# KiCad board ilwol.kicad_pcb (continued)
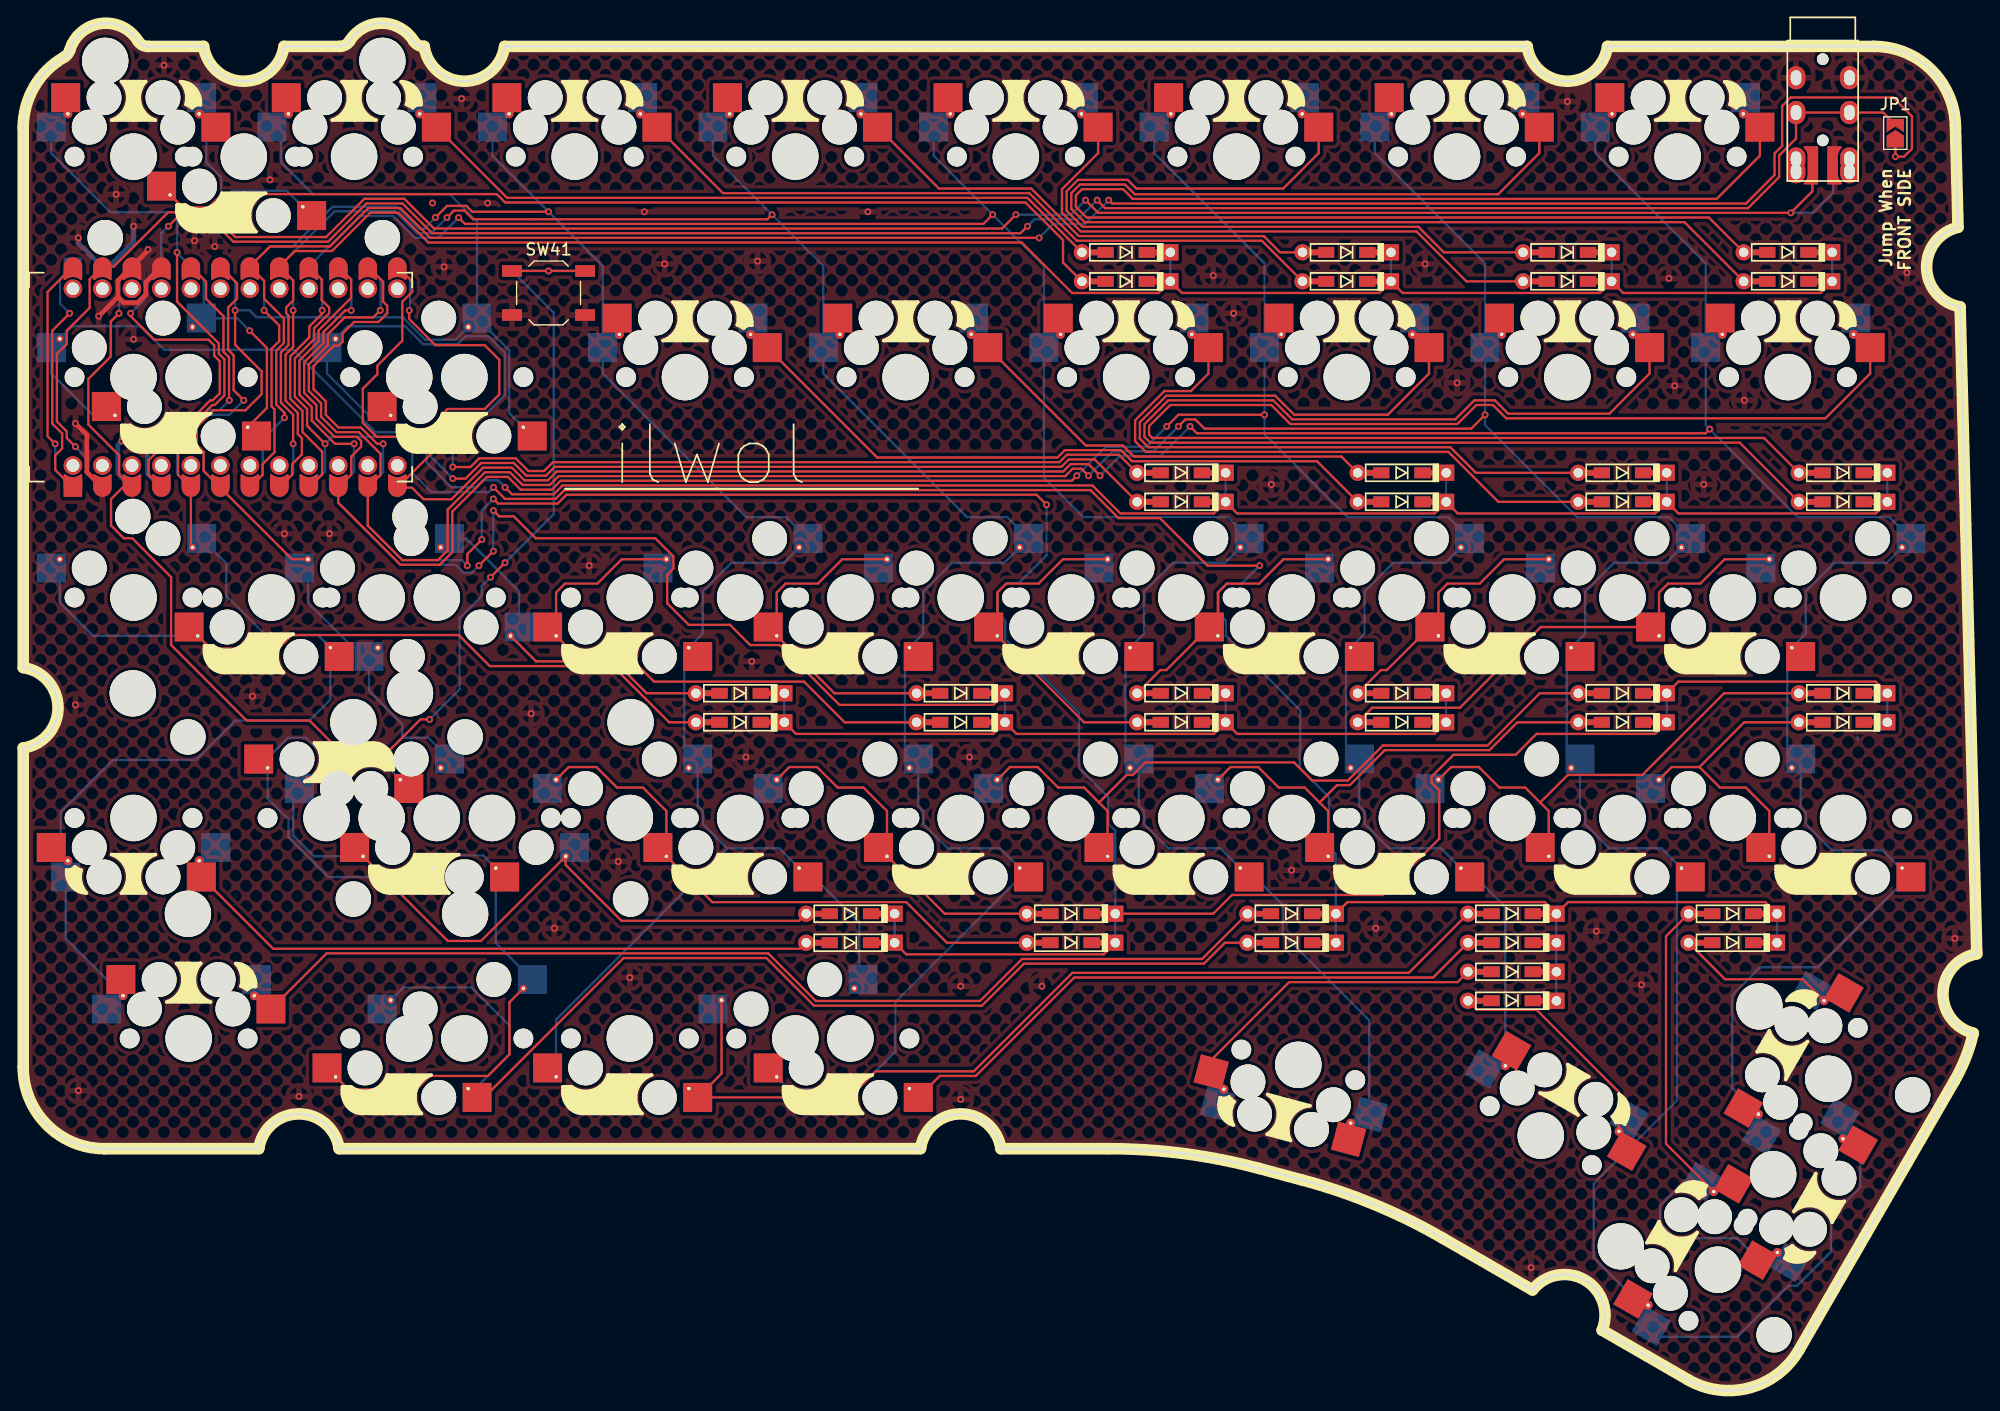
[diagram p0: board, top side]
## Nets
GND: J1.R2 J1.S JP2.2 SW41.2 SW41#2.2 U1.3 U1.4 U1.23
VCC: J1.R1 JP1.2 U1.21
COL1: SW1.1 SW1#2.1 SW9.1 SW9#2.1 SW17.1 SW17#2.1 SW25.1 SW33.1 U1.20
COL2: REF**#5.2 SW2.1 SW10.1 SW10#2.1 SW18.1 SW26.1 SW26#2.1 SW26#3.1 SW26#4.1 SW34.2 SW34#2.1 U1.19
COL3: SW3.1 SW11.1 SW19.1 SW19#2.1 SW27.1 SW27#2.1 SW35.2 SW35#2.1 U1.18
COL4: SW4.1 SW12.1 SW20.1 SW20#2.1 SW28.1 SW28#2.1 SW36.2 U1.17
COL5: SW5.1 SW13.1 SW21.1 SW21#2.1 SW29.1 SW29#2.1 SW37.1 U1.16
COL6: SW6.1 SW14.1 SW22.1 SW22#2.1 SW30.1 SW30#2.1 SW38.1 U1.15
COL7: SW7.1 SW15.1 SW23.1 SW23#2.1 SW31.1 SW31#2.1 SW39.1 SW39#2.1 U1.14
COL8: SW8.1 SW16.1 SW24.1 SW24#2.1 SW32.1 SW32#2.1 SW40.1 U1.13
HAND: JP1.1 JP2.1 U1.7
ROW1: D1.1 D2.1 D3.1 D4.1 D5.1 D6.1 D7.1 D8.1 U1.8
ROW2: D9.1 D10.1 D11.1 D12.1 D13.1 D14.1 D15.1 D16.1 U1.9
ROW3: D17.1 D18.1 D19.1 D20.1 D21.1 D22.1 D23.1 D24.1 U1.10
ROW4: D25.1 D26.1 D27.1 D28.1 D29.1 D30.1 D31.1 D32.1 U1.11
ROW5: D33.1 D34.1 D35.1 D36.1 D37.1 D38.1 D39.1 D40.1 U1.12
RST: SW41.1 SW41#2.1 U1.22
SERIAL: J1.T U1.2
Net-(D1-A): D1.2 SW1.2 SW1#2.2
Net-(D2-A): D2.2 SW2.2
Net-(D3-A): D3.2 SW3.2
Net-(D4-A): D4.2 SW4.2
Net-(D5-A): D5.2 SW5.2
Net-(D6-A): D6.2 SW6.2
Net-(D7-A): D7.2 SW7.2
Net-(D8-A): D8.2 SW8.2
Net-(D9-A): D9.2 SW9.2 SW9#2.2
Net-(D10-A): D10.2 SW10.2 SW10#2.2
Net-(D11-A): D11.2 SW11.2
Net-(D12-A): D12.2 SW12.2
Net-(D13-A): D13.2 SW13.2
Net-(D14-A): D14.2 SW14.2
Net-(D15-A): D15.2 SW15.2
Net-(D16-A): D16.2 SW16.2
Net-(D17-A): D17.2 SW17.2 SW17#2.2
Net-(D18-A): D18.2 REF**#5.1 SW18.2
Net-(D19-A): D19.2 SW19.2 SW19#2.2
Net-(D20-A): D20.2 SW20.2 SW20#2.2
Net-(D21-A): D21.2 SW21.2 SW21#2.2
Net-(D22-A): D22.2 SW22.2 SW22#2.2
Net-(D23-A): D23.2 SW23.2 SW23#2.2
Net-(D24-A): D24.2 SW24.2 SW24#2.2
Net-(D25-A): D25.2 SW25.2
Net-(D26-A): D26.2 SW26.2 SW26#2.2 SW26#3.2 SW26#4.2
Net-(D27-A): D27.2 SW27.2 SW27#2.2
Net-(D28-A): D28.2 SW28.2 SW28#2.2
Net-(D29-A): D29.2 SW29.2 SW29#2.2
Net-(D30-A): D30.2 SW30.2 SW30#2.2
Net-(D31-A): D31.2 SW31.2 SW31#2.2
Net-(D32-A): D32.2 SW32.2 SW32#2.2
Net-(D33-A): D33.2 SW33.2
Net-(D34-A): D34.2 SW34.1 SW34#2.2
Net-(D35-A): D35.2 SW35.1 SW35#2.2
Net-(D36-A): D36.2 SW36.1
Net-(D37-A): D37.2 SW37.2
Net-(D38-A): D38.2 SW38.2
Net-(D39-A): D39.2 SW39.2 SW39#2.2
Net-(D40-A): D40.2 SW40.2

Pads without a net: U1 1 5 6 24

## Via types
v1: diameter 0.6, hole 0.3, Top to Bottom, 119 vias

## Routing (per net, layer and track width the routed paths; a pad name or vN(x,y) marks a point on that pad's centre or on a via; arc(x,y) is an arc through that point)
GND: length 37.5
  Top w0.4: 8.16,94.26 8.16,95.67 U1.3 10.75,98.26 v1(10.75,98.35) ; 8.16,94.26 8.65,93.77 9.86,93.77 10.56,94.47 10.56,95.53 U1.4 ; 8.16,94.26 v1(6.5,92.6) ; U1.23 5.48,79.16 5.48,82.37 v1(4.5,83.35)
  Bottom w0.4: v1(4.75,99.35) 4.75,98.88 6.76,96.87 U1.23 7.37,96.87 9.5,99.01 v1(9.5,100.35) ; U1.3 8.16,79.02 8.16,81.51 v1(8.5,81.85) ; v1(10.25,81.85) 10.7,81.4 10.7,79.02 U1.4
  vias: v1(4.5,59.1) v1(4.75,25.85) v1(8,103.1) v1(9.5,90.6) v1(12.12,114.22) v1(14.75,99.1) v1(16.5,98.6) v1(18.5,101.35) v1(19,102.1) v1(19.75,59.85) v1(21.25,104.35) v1(22.5,73.85) v1(23.75,25.35) v1(26.38,73.85) v1(36.25,96.85) v1(37.75,111.35) v1(40,102.35) v1(43.75,58.35) v1(45.75,39.85) v1(48.75,71.1) v1(51.25,45.6) v1(52.25,35.6) v1(53.5,101.6) v1(55.25,97.1) v1(62.25,54.6) v1(62.75,62.85) v1(63.25,97.35) v1(72.75,101.6) v1(80.75,34.85) v1(80.75,25.1) v1(81.5,54.6) v1(87.75,34.85) v1(102.5,96.1) v1(104.25,92.85) v1(107.5,78.1) v1(109.25,44.85) v1(116.5,39.85) v1(120.75,97.1) v1(123.5,86.85) v1(129.88,10.6) v1(133,111.1) v1(135.5,39.6) v1(139.38,34.97) v1(141.75,95.85) v1(142.25,86.6) v1(144.75,78.1) v1(148.25,85.35) v1(162.25,96.35) v1(166.38,38.97)
VCC: length 193.5
  Top w0.2: v1(12.5,100.35) 13.31,101.15 15.96,101.15 18.1,99.01 26.26,99.01 29.56,102.32 32.66,102.32 35.22,99.75 85.9,99.75 v1(86.5,100.35) ; v1(92.5,102.6) 93.19,101.9 148.56,101.9 151.25,104.6 151.25,106.45 152.7,107.9 J1.R1 J1.R1 160.2,110.15 JP1.2 ; v1(9.25,92.85) 9.25,92.6 11.27,90.58 15.95,90.58 16.45,90.08 16.45,89.2 16.93,88.72 16.93,85.94 16.33,85.35 16.12,85.35 12.94,82.17 12.94,81.53 12.25,80.85 11.46,80.85 10.8,80.18 10.8,78.92 U1.21
  Bottom w0.2: v1(86.5,100.35) 87.1,100.95 90.85,100.95 v1(92.5,102.6) ; v1(12.5,100.35) 11.9,99.75 U1.21 10.46,95.43 10.46,94.06 v1(9.25,92.85)
(no net): length 0.2
  Bottom w0.2: 158,56.35 158,56.1
  vias: v1(35.25,102.35)
COL1: length 146.3
  Top w0.2: v1(13.25,98.1) 13.25,93.85 16.85,90.25 16.85,89.37 17.33,88.89 17.33,85.77 16.5,84.95 16.29,84.95 13.34,82 13.34,78.92 U1.20 14.44,72.8 SW17#2.1 ; v1(19.5,91.35) 20.99,89.86 20.99,84.69 SW9.1
  Bottom w0.2: SW1#2.1 2.41,106.65 7.51,101.55 13.25,101.55 ; 13.25,101.55 v1(13.25,98.1) 13.25,98.06 U1.20 15.54,95.77 15.54,92.63 SW9#2.1 18.42,92.43 v1(19.5,91.35) ; 13.25,101.55 16.12,101.55 17.97,103.4 22.7,103.4 SW1.1 ; SW17#2.1 17.5,71.27 17.5,68.47 17.52,68.47 20.87,65.12 25.37,65.12 SW17.1 26.45,59.54 24.66,57.75 18.25,57.75 14.85,54.35 7.72,54.35 3.22,49.84 3.22,46.29 SW25.1 ; SW25.1 3.66,38.97 SW33.1
COL2: length 200.8
  Top w0.2: SW34#2.1 41.88,33.46 41.88,28.98 40.02,27.12 35.02,27.12 33.86,25.96 28.02,25.96 SW34.2 ; v1(18.25,93.1) 18.25,90.13 20.53,87.84 20.53,85.88 19.15,84.49 16.4,84.49 14.94,83.03 14.94,81.5 15.54,80.9 15.54,79.26 U1.19 23.15,71.65 REF**#5.2
  Bottom w0.2: U1.19 18.25,95.6 v1(18.25,93.1) 19.5,93.1 20.1,92.5 32.7,92.5 34.62,90.58 37.24,90.58 SW10#2.1 ; SW2.1 22.22,109.4 22.22,105.85 24.97,103.1 36.75,103.1 39.09,100.75 SW10#2.1 41.88,89.64 41.88,84.23 SW10.1 ; SW26#4.1 26.26,44.27 22.85,47.68 22.85,49.24 21.05,51.05 SW26#2.1 21.05,54.5 22.82,56.28 24.35,56.28 26.49,54.14 30.51,54.14 32.65,56.28 ; SW18.1 29.78,60.31 32.65,57.44 32.65,56.28 ; 32.65,56.28 34.87,56.28 SW26#3.1 36.19,54.96 ; SW18.1 28.41,64.03 24.53,67.92 REF**#5.2 ; SW26#4.1 36.38,46.12 39.62,46.12 SW26.1 40.7,38.56 SW34#2.1
COL3: length 178.8
  Top w0.2: v1(35.5,101.1) 36.5,102.1 38.17,102.1 38.67,101.6 v1(45.25,101.6) ; v1(20.75,93.1) 22.05,91.8 22.05,90.44 21.39,89.79 21.39,84.82 21.64,84.57 21.64,80.87 20.62,79.84 20.62,78.92 U1.18
  Bottom w0.2: SW35.2 45.9,31.98 60.64,46.72 ; 60.64,46.72 65.14,46.72 SW27.1 67.31,45.03 72.03,40.32 72.03,35.74 SW35#2.1 ; 60.64,46.72 58.53,48.83 58.53,49.94 58.09,50.38 SW27#2.1 56.94,55.58 56.94,63.64 SW19.1 58.53,65.23 58.53,68.86 61.02,71.35 65.51,71.35 SW19#2.1 ; SW19#2.1 65.74,75.28 62.29,75.28 49.92,87.65 SW11.1 49.92,96.93 v1(45.25,101.6) 40.42,106.43 SW3.1 ; v1(20.75,93.1) 20.75,95.64 U1.18 21.25,98.6 23.22,98.6 26.66,102.04 32.19,102.04 34.08,100.15 34.55,100.15 v1(35.5,101.1)
COL4: length 189.8
  Top w0.2: v1(64.5,101.35) 64.1,100.95 38.75,100.95 38,101.7 37.1,101.7 v1(36.5,101.1) ; U1.17 23.16,78.92 23.16,79.84 24,80.68 24,82.1 23.65,82.45 23.65,84.26 22.59,85.32 22.59,89.29 23.25,89.94 v1(23.25,93.1)
  Bottom w0.2: SW20#2.1 84.51,71.35 80.02,71.35 77.53,68.86 77.53,65.23 SW20.1 75.94,63.64 75.94,55.58 SW28#2.1 77.09,50.38 77.53,49.94 77.53,48.83 79.64,46.72 84.14,46.72 SW28.1 85.83,44.19 75.13,33.49 75.13,29.23 71.86,25.96 65.99,25.96 SW36.2 ; SW4.1 59.42,106.43 68.92,96.93 SW12.1 68.92,87.65 81.29,75.28 84.74,75.28 SW20#2.1 ; v1(36.5,101.1) 35.15,99.75 33.92,99.75 32.03,101.64 26.83,101.64 U1.17 23.25,95.68 v1(23.25,93.1)
COL5: length 207.7
  Top w0.2: U1.16 25.75,78.97 25.75,80.91 24.05,82.61 24.05,84.43 23,85.49 23,89.12 24.65,90.77 24.65,91.71 25.75,92.81 v1(25.75,93.1) ; v1(83.5,101.35) 82.7,100.55 38.05,100.55 v1(37.5,101.1)
  Bottom w0.2: SW21#2.1 103.51,71.35 99.02,71.35 96.53,68.86 96.53,65.23 SW21.1 94.94,63.64 94.94,55.58 SW29#2.1 96.09,50.38 96.53,49.94 96.53,48.83 98.64,46.72 103.14,46.72 SW29.1 105.31,45.03 108.47,41.87 108.47,39.38 115.94,31.92 115.94,24.65 SW37.1 ; SW21#2.1 103.74,75.28 91.32,75.28 87.91,78.68 SW13.1 87.91,96.93 78.42,106.43 SW5.1 ; v1(37.5,101.1) 35.75,99.35 33.75,99.35 31.86,101.24 28.97,101.24 U1.16 25.75,95.72 v1(25.75,93.1)
COL6: length 228.9
  Top w0.2: v1(98.5,83.1) 99.5,84.1 106.91,84.1 v1(106.91,84.1) ; v1(28.25,93.1) 27.73,93.1 25.85,91.21 25.85,90.27 24.2,88.62 24.2,85.98 25.25,84.93 25.25,83.76 26.84,82.18 26.85,82.2 28.75,82.2 29.1,81.85 29.1,81.35 28.25,80.5 28.25,78.93 U1.15 27.14,76.52 32.48,71.17 35.88,71.17 36.96,72.25 36.96,75.76 39.94,78.74 41.75,78.74 42.84,77.65 45.53,77.65 46.29,78.41 90.31,78.41 v1(90.75,78.85)
  Bottom w0.2: v1(28.25,93.1) 28.25,95.76 U1.15 ; SW22#2.1 122.74,75.28 114.07,75.28 106.91,82.43 v1(106.91,84.1) SW14.1 106.91,97.15 97.41,106.65 SW6.1 ; SW22#2.1 122.51,71.35 118.02,71.35 115.53,68.86 115.53,65.23 SW22.1 113.94,63.64 113.94,55.58 SW30#2.1 115.09,50.38 115.53,49.94 115.53,48.83 117.64,46.72 122.14,46.72 SW30.1 124.31,45.03 127.66,41.68 SW38.1 ; v1(90.75,78.85) 93.25,81.35 96.75,81.35 v1(98.5,83.1)
COL7: length 303.5
  Top w0.2: v1(91.75,78.85) 91.15,79.45 90.39,79.45 89.75,78.81 46.12,78.81 45.36,78.05 43.01,78.05 41.92,79.14 39.78,79.14 36.56,75.92 36.56,72.42 35.72,71.58 32.65,71.58 29.68,74.54 U1.14 30.78,78.92 30.78,80.73 28.92,82.6 26.99,82.6 25.66,83.93 25.66,85.09 24.6,86.15 24.6,88.46 26.25,90.11 26.25,91.05 27.7,92.5 30.15,92.5 v1(30.75,93.1) ; v1(99.5,83.1) 100.1,83.7 100.96,83.7 101.75,82.9 124.72,82.9 v1(125.91,84.1)
  Bottom w0.2: SW23#2.1 141.51,71.35 137.02,71.35 134.53,68.86 134.53,65.23 SW23.1 132.94,63.64 132.94,55.58 SW31#2.1 134.09,50.38 134.53,49.94 134.53,48.83 136.64,46.72 141.14,46.72 SW31.1 142.44,44.64 142.44,24.99 135.27,17.82 135.27,11.46 139.36,7.36 SW39.1 ; v1(30.75,93.1) 30.78,93.13 30.78,95.77 U1.14 ; v1(99.5,83.1) 97.35,80.95 93.85,80.95 v1(91.75,78.85) ; SW7.1 116.41,106.65 125.91,97.15 SW15.1 v1(125.91,84.1) 125.91,83.21 133.85,75.28 141.74,75.28 SW23#2.1 ; SW39#2.1 158.25,20.19 158.25,17.54 155.71,15 155.71,11.95 152.79,9.04 152.06,9.04 147.66,4.63 141.15,4.63 SW39.1
COL8: length 272.4
  Top w0.2: v1(33.25,93.1) 33.25,92.35 35.5,90.1 39.75,90.1 41,88.85 41,85.85 39.75,84.6 36.54,84.6 36.04,84.1 36.04,81.64 U1.13 33.47,77.82 34.47,76.82 36.89,76.82 39.61,79.54 42.08,79.54 43.18,78.45 45.19,78.45 45.96,79.21 89.58,79.21 90.22,79.85 91.75,79.85 v1(92.75,78.85) ; v1(100.5,83.1) 101.09,82.5 144.91,82.5 145.25,82.85
  Bottom w0.2: 161.83,44.88 160.14,46.57 155.78,46.57 155.75,46.6 155.75,46.61 153.53,48.83 153.53,49.84 153.09,50.28 153.09,54.28 ; v1(100.5,83.1) 97.95,80.54 94.45,80.54 v1(92.75,78.85) ; v1(33.25,93.1) 33.32,93.17 33.32,95.77 U1.13 ; SW32.1 161.83,43.73 154.58,36.48 149.6,36.48 147.2,34.08 147.2,26.08 SW40.1 ; SW24#2.1 160.74,75.28 152.85,75.28 v1(145.26,82.86) 144.91,83.21 SW16.1 144.91,97.15 135.41,106.65 SW8.1 ; SW32#2.1 151.94,55.58 151.94,63.64 SW24.1 153.53,65.23 153.53,68.86 156.02,71.35 160.51,71.35 SW24#2.1
HAND: length 184.5
  Top w0.2: v1(87.5,99.35) 35.06,99.35 32.49,101.91 29.73,101.91 26.43,98.61 21.26,98.61 U1.7 20.75,95.64 20.75,94.1 22.45,92.4 22.45,90.28 21.79,89.62 21.79,84.99 22.5,84.28 v1(22.5,83.85) ; v1(93.5,102.6) 93.79,102.3 148.39,102.3 150.85,104.76 150.85,106.62 151.5,107.27 151.5,110.7 152.24,111.45 161.06,111.45 162.68,109.82 162.68,107.03 162,106.35 v1(161.25,106.35) JP1.1
  Bottom w0.2: U1.7 20.62,78.92 20.62,81.97 v1(22.5,83.85) ; v1(87.5,99.35) 88.7,100.54 91.45,100.54 v1(93.5,102.6) ; JP1.1 v1(161.25,106.35)
ROW1: length 172.5
  Top w0.2: D7.1 154.81,94.6 137.81,94.6 D5.1 135.81,94.6 118.81,94.6 D3.1 116.81,94.6 99.81,94.6 D1.1 97.81,94.6 90.35,94.6 86,98.95 34.89,98.95 32.32,101.51 29.89,101.51 26.59,98.21 23.4,98.21 U1.8 23.25,95.68 23.25,93.95 22.65,93.35 22.65,92.85 22.85,92.65 22.85,90.11 22.19,89.45 22.19,85.15 23.25,84.1 v1(23.25,81.6)
  Bottom w0.2: D8.1 D7.1 ; v1(23.25,81.6) 23.25,79.01 U1.8 ; D4.1 D3.1 ; D2.1 D1.1 ; D6.1 D5.1
ROW2: length 174.9
  Top w0.2: D15.1 159.56,75.6 142.56,75.6 D13.1 140.56,75.6 123.56,75.6 D11.1 121.56,75.6 104.56,75.6 D9.1 102.56,75.6 94.5,75.6 92.09,78.01 46.45,78.01 45.69,77.25 42.1,77.25 v1(41.5,77.85) ; v1(26,81.6) 24.45,83.14 24.45,84.6 23.4,85.65 23.4,88.96 25.05,90.61 25.05,91.54 26.35,92.85 26.35,93.35 25.7,94 25.7,95.77 U1.9
  Bottom w0.2: D16.1 D15.1 ; v1(41.5,77.85) 40.9,78.45 39.6,78.45 39,77.85 36.9,77.85 34.75,80 34.75,81.2 33.75,82.2 26.6,82.2 v1(26,81.6) 26,79.22 U1.9 ; D10.1 D9.1 ; D12.1 D11.1 ; D14.1 D13.1
ROW3: length 170.3
  Top w0.2: v1(40.5,72.35) v1(39.25,71.1) ; v1(40.5,75.85) 41,75.35 42.25,75.35 44.14,73.46 54.44,73.46 56,71.9 56,70.85 55.47,70.31 55.47,67.85 57.32,66 60.87,66 62.61,64.26 65.15,64.26 70.31,59.1 83.56,59.1 D20.1 ; v1(28.5,81.6) 26.85,81.6 24.85,83.6 24.85,84.76 23.8,85.82 23.8,88.79 25.45,90.44 25.45,91.38 28.24,94.17 28.24,95.77 U1.10 ; D24.1 121.56,56.6 104.56,56.6 D21.1 102.56,56.6 85.56,56.6 D19.1 83.56,56.6 66.56,56.6 D17.1
  Bottom w0.2: D20.1 D19.1 ; D22.1 D21.1 ; D23.1 D24.1 ; D18.1 D17.1 ; v1(39.25,71.1) 38.65,70.5 37.93,70.5 37.25,71.17 32.48,71.17 27.14,76.52 U1.10 28.5,79.18 v1(28.5,81.6) ; v1(40.5,75.85) v1(40.5,72.35)
ROW4: length 246.6
  Top w0.2: v1(88.14,76.35) 87.28,77.21 46.79,77.21 46.03,76.45 40.9,76.45 v1(40.5,76.85) ; D27.1 93.06,37.6 76.06,37.6 D25.1 ; v1(31,81.6) 30.48,81.6 29.08,83 27.15,83 26.06,84.1 26.06,85.26 25,86.32 25,88.29 26.76,90.05 27.15,90.05 27.5,90.4 27.5,91.1 28.5,92.09 30.6,92.09 31.35,92.85 31.35,93.5 31,93.85 31,95.55 U1.11 ; v1(39.5,73.35) 38.25,72.1 v1(38.25,71.1) ; D30.1 140.56,56.6 130.34,56.6 128.54,54.79 123.2,54.79 121.3,52.9 121.3,52.4 121.97,51.73 121.97,47.56 117.12,42.72 104.12,42.72 102.5,41.1 D28.1 ; D31.1 159.56,61.1 142.56,61.1 D29.1
  Bottom w0.2: D29.1 D30.1 ; v1(38.25,71.1) 37.77,71.58 32.65,71.58 29.68,74.54 U1.11 31,79.14 v1(31,81.6) ; v1(40.5,76.85) 39.5,75.85 v1(39.5,73.35) ; D31.1 D32.1 ; v1(88.14,76.35) 88.14,71.99 85.75,69.6 84.72,69.6 83.97,68.84 83.97,66.97 84.59,66.35 84.59,64.76 90.94,58.41 90.94,53.66 93.47,51.13 93.47,48.85 94.06,48.26 D28.1 D27.1 ; D26.1 D25.1
ROW5: length 191.5
  Top w0.2: v1(33.5,81.6) 32.9,82.2 30.45,82.2 29.25,83.4 29.25,86.35 30.5,87.6 30.5,88.33 32.65,90.48 32.65,93.84 33.5,94.69 33.5,95.59 U1.12 ; v1(40.5,77.85) 41.5,76.85 45.86,76.85 46.62,77.61 91.92,77.61 94.33,75.2 97.9,75.2 102,71.1 v1(106.5,71.1) ; D39.1 150.06,42.1 133.06,42.1 D35.1 131.06,42.1 114.06,42.1 D33.1
  Bottom w0.2: v1(40.5,77.85) 40.1,77.45 35.16,77.45 33.5,79.1 ; D39.1 D40.1 ; D35.1 D36.1 D37.1 D38.1 ; v1(33.5,81.6) 33.5,79.1 ; 33.5,79.1 U1.12 32.6,77.45 ; D34.1 D33.1 113.06,46.23 112.47,46.83 112.47,51.13 109.94,53.66 109.94,55.29 110,55.35 110,58.63 103.59,65.04 103.59,66.35 102.97,66.97 102.97,68.84 103.67,69.55 104.95,69.55 v1(106.5,71.1)
RST: length 123.7
  Top w0.2: v1(8.25,92.85) 7.54,92.14 7.54,89.12 5.61,87.19 5.61,83.25 8.26,80.61 8.26,78.92 U1.22 8.55,77.82 7.56,76.83 7.56,74.56 8.66,73.46 9.39,73.46 12.74,70.11 12.74,64.26 19.25,57.75 24.66,57.75 27.15,55.26 31.63,55.26 34.22,57.85 v1(35,57.85) ; SW41.1 SW41.1 ; v1(41.5,71.35) v1(40.25,70.1)
  Bottom w0.2: v1(40.25,70.1) 39.5,69.35 39.5,68.49 37.58,66.57 37.58,60.43 v1(35,57.85) ; SW41.1 v1(45.25,96.5) SW41.1 45.69,92.91 45.69,75.53 v1(41.5,71.35) ; U1.22 8.25,95.76 v1(8.25,92.85)
SERIAL: length 186
  Top w0.2: v1(4.5,81.35) 3.75,82.09 3.75,82.66 2.9,83.51 2.9,89.35 3.75,90.2 3.75,91.35 5.72,93.32 5.72,95.77 U1.2 7.8,96.87 12.48,101.55 16.12,101.55 18.26,99.42 26.09,99.42 29.39,102.72 32.82,102.72 35.39,100.15 84.3,100.15 v1(85.5,101.35) ; v1(91.5,102.6) 92.59,101.5 v1(152.25,101.5) 154.1,103.35 J1.T
  Bottom w0.2: U1.2 5.5,79.14 5.5,80.35 v1(4.5,81.35) ; v1(91.5,102.6) 90.25,101.35 v1(85.5,101.35) ; J1.T 155.9,103.25 154.16,101.5 v1(152.25,101.5)
Net-(D1-A): length 101.6
  Top w0.2: 15.96,101.96 13.74,101.96 SW1.2 ; 15.96,101.96 17.12,103.12 40.79,103.12 41.51,102.39 86.33,102.39 89.56,99.16 89.56,97.23 D1.2 ; 15.96,101.96 13.77,101.96 SW1.2
  Bottom w0.2: SW1#2.2 15.78,109.4 15.78,105.85 17.04,104.59 17.04,103.04 15.96,101.96 13.74,101.96 SW1.2
Net-(D2-A): length 60.1
  Top w0.2: SW2.2 41.68,102.79 86.49,102.79 D2.2
Net-(D3-A): length 61.1
  Top w0.2: SW3.2 60.28,103.2 86.66,103.2 90.76,99.1 106.69,99.1 D3.2
Net-(D4-A): length 41.1
  Top w0.2: D4.2 108.26,98.1 106.86,99.5 90.92,99.5 86.82,103.6 78.88,103.6 SW4.2
Net-(D5-A): length 50.8
  Top w0.2: SW5.2 92.59,106.65 89.47,103.54 89.47,101.52 91.09,99.9 120.01,99.9 124.31,95.6 D5.2
Net-(D6-A): length 68.4
  Top w0.2: D6.2 122.38,98.1 120.17,100.3 91.26,100.3 89.87,101.69 89.87,103.37 90.85,104.35 95.12,104.35 95.88,103.6 108.53,103.6 111.59,106.65 SW6.2
Net-(D7-A): length 106.5
  Top w0.2: SW7.2 130.59,106.65 127.04,103.1 95.74,103.1 94.9,103.95 91.01,103.95 90.27,103.2 90.27,101.85 91.42,100.7 143.09,100.7 D7.2
Net-(D8-A): length 123.6
  Top w0.2: D8.2 145.19,101.1 91.59,101.1 90.67,102.02 90.67,103.02 91.2,103.54 94.73,103.54 95.57,102.7 145.86,102.7 149.59,106.43 SW8.2
Net-(D9-A): length 111.5
  Top w0.2: v1(37,78.6) 38.1,78.6 39.44,79.95 42.25,79.95 43.34,78.85 45.03,78.85 45.79,79.61 89.42,79.61 90.05,80.25 92.29,80.25 D9.2
  Bottom w0.2: SW9#2.2 2.41,87.65 6.02,84.04 SW9.2 ; SW9#2.2 4.24,91.74 10.11,91.74 12.15,89.7 23.25,89.7 30.35,82.6 33.92,82.6 35.15,81.36 35.15,80.45 v1(37,78.6)
Net-(D10-A): length 98.4
  Top w0.2: D10.2 94.39,80.65 89.89,80.65 89.25,80.01 45.62,80.01 44.86,79.25 43.51,79.25 42.41,80.35 39.28,80.35 38.53,79.6 v1(37,79.6)
  Bottom w0.2: SW10#2.2 26.17,87.65 29.77,84.04 SW10.2 ; v1(37,79.6) 37,81.34 41.48,85.82 41.48,89.47 40.08,90.88 38.11,90.88 37.41,90.17 34.45,90.17 32.89,91.74 27.99,91.74 SW10#2.2
Net-(D11-A): length 56.9
  Top w0.2: D11.2 111.44,80.1 95.51,80.1 94.55,81.05 89.72,81.05 89.09,80.41 73.56,80.41 SW11.2
Net-(D12-A): length 36.3
  Top w0.2: SW12.2 91.52,81.45 94.72,81.45 95.67,80.5 113.54,80.5 D12.2
Net-(D13-A): length 52.3
  Top w0.2: D13.2 127.06,76.6 122.76,80.9 96.7,80.9 95.77,81.82 95.77,83.62 98.3,86.14 100.58,86.14 102.09,87.65 SW13.2
Net-(D14-A): length 70.6
  Top w0.2: D14.2 125.13,79.1 122.92,81.3 96.92,81.3 96.17,82.04 96.17,83.45 98.46,85.74 107.83,85.74 109.47,84.1 117.54,84.1 121.09,87.65 SW14.2
Net-(D15-A): length 109.6
  Top w0.2: D15.2 147.84,81.7 97.08,81.7 96.57,82.21 96.57,83.29 98.63,85.34 107.67,85.34 109.31,83.7 123.36,83.7 125,85.35 126.75,85.35 127.9,84.2 136.63,84.2 140.09,87.65 SW15.2
Net-(D16-A): length 126.6
  Top w0.2: D16.2 149.94,82.1 97.25,82.1 96.98,82.38 96.98,83.12 98.8,84.94 107.5,84.94 109.14,83.3 123.52,83.3 125.17,84.95 126.58,84.95 127.73,83.79 155.23,83.79 159.09,87.65 SW16.2
Net-(D17-A): length 64.8
  Top w0.2: D17.2 55.63,57.6 50.79,62.44 40.19,62.44 37.51,65.12 23.15,65.12 21.99,63.96 16.14,63.96 SW17.2
  Bottom w0.2: SW17#2.2 3.15,67.92 6.02,65.04 SW17.2
Net-(D18-A): length 29
  Top w0.2: SW18.2 44.17,62.85 50.95,62.85 53.7,60.1 D18.2
  Bottom w0.2: SW18.2 42.71,68.88 38.17,73.43 REF**#5.1
Net-(D19-A): length 48.5
  Top w0.2: SW19#2.2 51.55,71.65 49.45,69.55 46.67,69.55 45.9,68.78 SW19.2 47.7,63.25 52.19,63.25 54.34,61.1 67.25,61.1 70.75,57.6 D19.2
Net-(D20-A): length 29.6
  Top w0.2: D20.2 69.88,60.1 SW20.2 ; SW20.2 64.9,68.78 65.67,69.55 68.45,69.55 70.55,71.65 SW20#2.2
Net-(D21-A): length 30.6
  Top w0.2: SW21#2.2 89.55,71.65 87.45,69.55 84.67,69.55 83.9,68.78 SW21.2 ; SW21.2 91.38,57.6 D21.2
Net-(D22-A): length 23
  Top w0.2: SW22.2 98.46,62.1 97.94,62.1 D22.2 ; SW22#2.2 108.55,71.65 106.45,69.55 103.67,69.55 102.9,68.78 SW22.2
Net-(D23-A): length 23
  Top w0.2: D23.2 116.94,62.1 117.46,62.1 SW23.2 ; SW23#2.2 127.55,71.65 125.45,69.55 122.67,69.55 121.9,68.78 SW23.2
Net-(D24-A): length 43
  Top w0.2: SW24.2 140.9,68.78 141.67,69.55 144.45,69.55 146.55,71.65 SW24#2.2 ; D24.2 116.19,58.85 123.75,58.85 130.71,65.81 SW24.2
Net-(D25-A): length 54.9
  Top w0.2: D25.2 66.92,38.08 21.53,38.08 SW25.2
Net-(D26-A): length 67.1
  Top w0.2: D26.2 66.83,40.49 51.54,40.49 46.72,45.3 SW26#4.2 39.43,38.75 36.57,38.75 SW26.2
  Bottom w0.2: SW26#3.2 25.61,53.74 31.39,53.74 SW26#2.2 ; SW26.2 25.05,46.04 23.25,47.85 23.25,51.35 SW26#3.2
Net-(D27-A): length 49.5
  Top w0.2: SW27#2.2 46.99,53.74 49.38,53.74 51.14,51.97 53.38,51.97 55.4,49.95 SW27.2 59.35,42.1 76.06,42.1 79.56,38.6 D27.2
Net-(D28-A): length 30.6
  Top w0.2: SW28.2 74.4,49.95 72.38,51.97 70.14,51.97 68.38,53.74 65.99,53.74 SW28#2.2 ; SW28.2 79.38,41.1 D28.2
Net-(D29-A): length 61.9
  Top w0.2: D29.2 130.62,60.1 126.12,55.6 117.11,55.6 114.09,52.58 111.02,52.58 109.46,54.14 96.65,54.14 95.58,53.06 95.05,53.06 92.66,50.68 ; SW29.2 93.4,49.95 92.66,50.68 ; 92.66,50.68 91.38,51.97 89.14,51.97 87.38,53.74 84.99,53.74 SW29#2.2
Net-(D30-A): length 40.6
  Top w0.2: 111.66,50.68 113.16,52.17 114.26,52.17 117.28,55.2 126.29,55.2 128.69,57.6 D30.2 ; 111.66,50.68 110.38,51.97 108.14,51.97 106.38,53.74 103.99,53.74 SW30#2.2 ; 111.66,50.68 112.4,49.95 SW30.2
Net-(D31-A): length 41.6
  Top w0.2: 130.66,50.68 131.4,49.95 SW31.2 ; 130.66,50.68 129.38,51.97 127.14,51.97 125.38,53.74 122.99,53.74 SW31#2.2 ; 130.66,50.68 133.05,53.06 139.47,53.06 146.5,60.1 D31.2
Net-(D32-A): length 25.6
  Top w0.2: SW32.2 150.4,49.95 148.38,51.97 146.14,51.97 144.38,53.74 ; SW32#2.2 141.99,53.74 144.38,53.74 ; 144.38,53.74 148.24,57.6 D32.2
Net-(D33-A): length 90.9
  Top w0.2: SW33.2 26.13,37.68 64.17,37.68 68.27,33.58 82.41,33.58 86.03,37.2 101.54,37.2 D33.2
Net-(D34-A): length 94.6
  Top w0.2: SW34.1 39.7,25.27 51.71,37.28 64.01,37.28 68.11,33.18 82.58,33.18 86.2,36.8 101.71,36.8 103.51,38.6 D34.2
  Bottom w0.2: SW34#2.2 32.74,34.74 38.61,34.74 41.88,31.47 41.88,28.98 38.93,26.03 SW34.1
Net-(D35-A): length 82.1
  Top w0.2: D35.2 119.35,36 90.37,36 87.25,32.89 87.25,32.89 81.88,27.52 73.42,27.52 71.17,25.27 SW35.1 60.15,27.32 SW35#2.2
Net-(D36-A): length 52.9
  Top w0.2: D36.2 121.44,35.6 90.53,35.6 82.05,27.12 78.94,27.12 SW36.1
Net-(D37-A): length 26.3
  Top w0.2: D37.2 123.54,35.2 109.04,35.2 102.33,28.49 SW37.2
Net-(D38-A): length 19.7
  Top w0.2: D38.2 125.21,32.83 130.34,32.83 137.45,25.72 SW38.2
Net-(D39-A): length 43.5
  Top w0.2: D39.2 141.5,39.16 141.5,21.26 SW39.2
  Bottom w0.2: SW39#2.2 148.83,11.91 147.6,13.13 142.25,13.13 141,14.39 141,15.96 143.06,18.01 SW39.2
Net-(D40-A): length 13.7
  Top w0.2: SW40.2 153.27,35.45 146.58,35.45 D40.2
unconnected-(U1-2/D1/SDA-Pad5): length 23.4
  Top w0.2: v1(17.75,85.35) 17.73,85.37 17.73,89.05 17.25,89.53 17.25,92.6 15.75,94.09 15.75,95.56 U1.5
  Bottom w0.2: v1(17.75,85.35) 16.92,84.52 15.86,84.52 14.54,83.2 14.54,82.63 13.25,81.35 13.25,79.01 U1.5
unconnected-(U1-3/D0/SCL-Pad6): length 24.1
  Top w0.2: v1(19,85.35) 18.13,86.22 18.13,89.22 17.65,89.7 17.65,93.35 18.42,94.12 18.42,95.43 U1.6
  Bottom w0.2: U1.6 15.54,79.26 15.54,80.9 14.94,81.5 14.94,83.03 16.02,84.12 17.77,84.12 v1(19,85.35)
unconnected-(U1-RAW-Pad24): length 21.7
  Top w0.2: v1(4,92.85) 2.5,91.35 2.5,83.35 3.35,82.5 3.35,81.2 2.75,80.6 2.75,79.35 U1.24
  Bottom w0.2: v1(4,92.85) 3.18,93.67 3.18,95.77 U1.24
unconnected-(U1-TX0/D3-Pad1): length 20.9
  Top w0.2: v1(2.75,81.6) 2.1,82.25 2.1,94.69 U1.1
  Bottom w0.2: v1(2.75,81.6) 2.75,79.35 U1.1

## Copper pours and planes (outline as drawn; the poured copper is in the pictures)
GND on Top, Bottom: -4.5,120.85 175.5,120.85 175.5,-4.15 -4.5,-4.15

## Text on the board
B.Silkscreen: Jump When / FRONT SIDE | ilwol 일월
F.Silkscreen: Jump When / FRONT SIDE | ilwol 일월
